# KiCad board TFLN_AI_NODE_X2.kicad_pcb (continued)
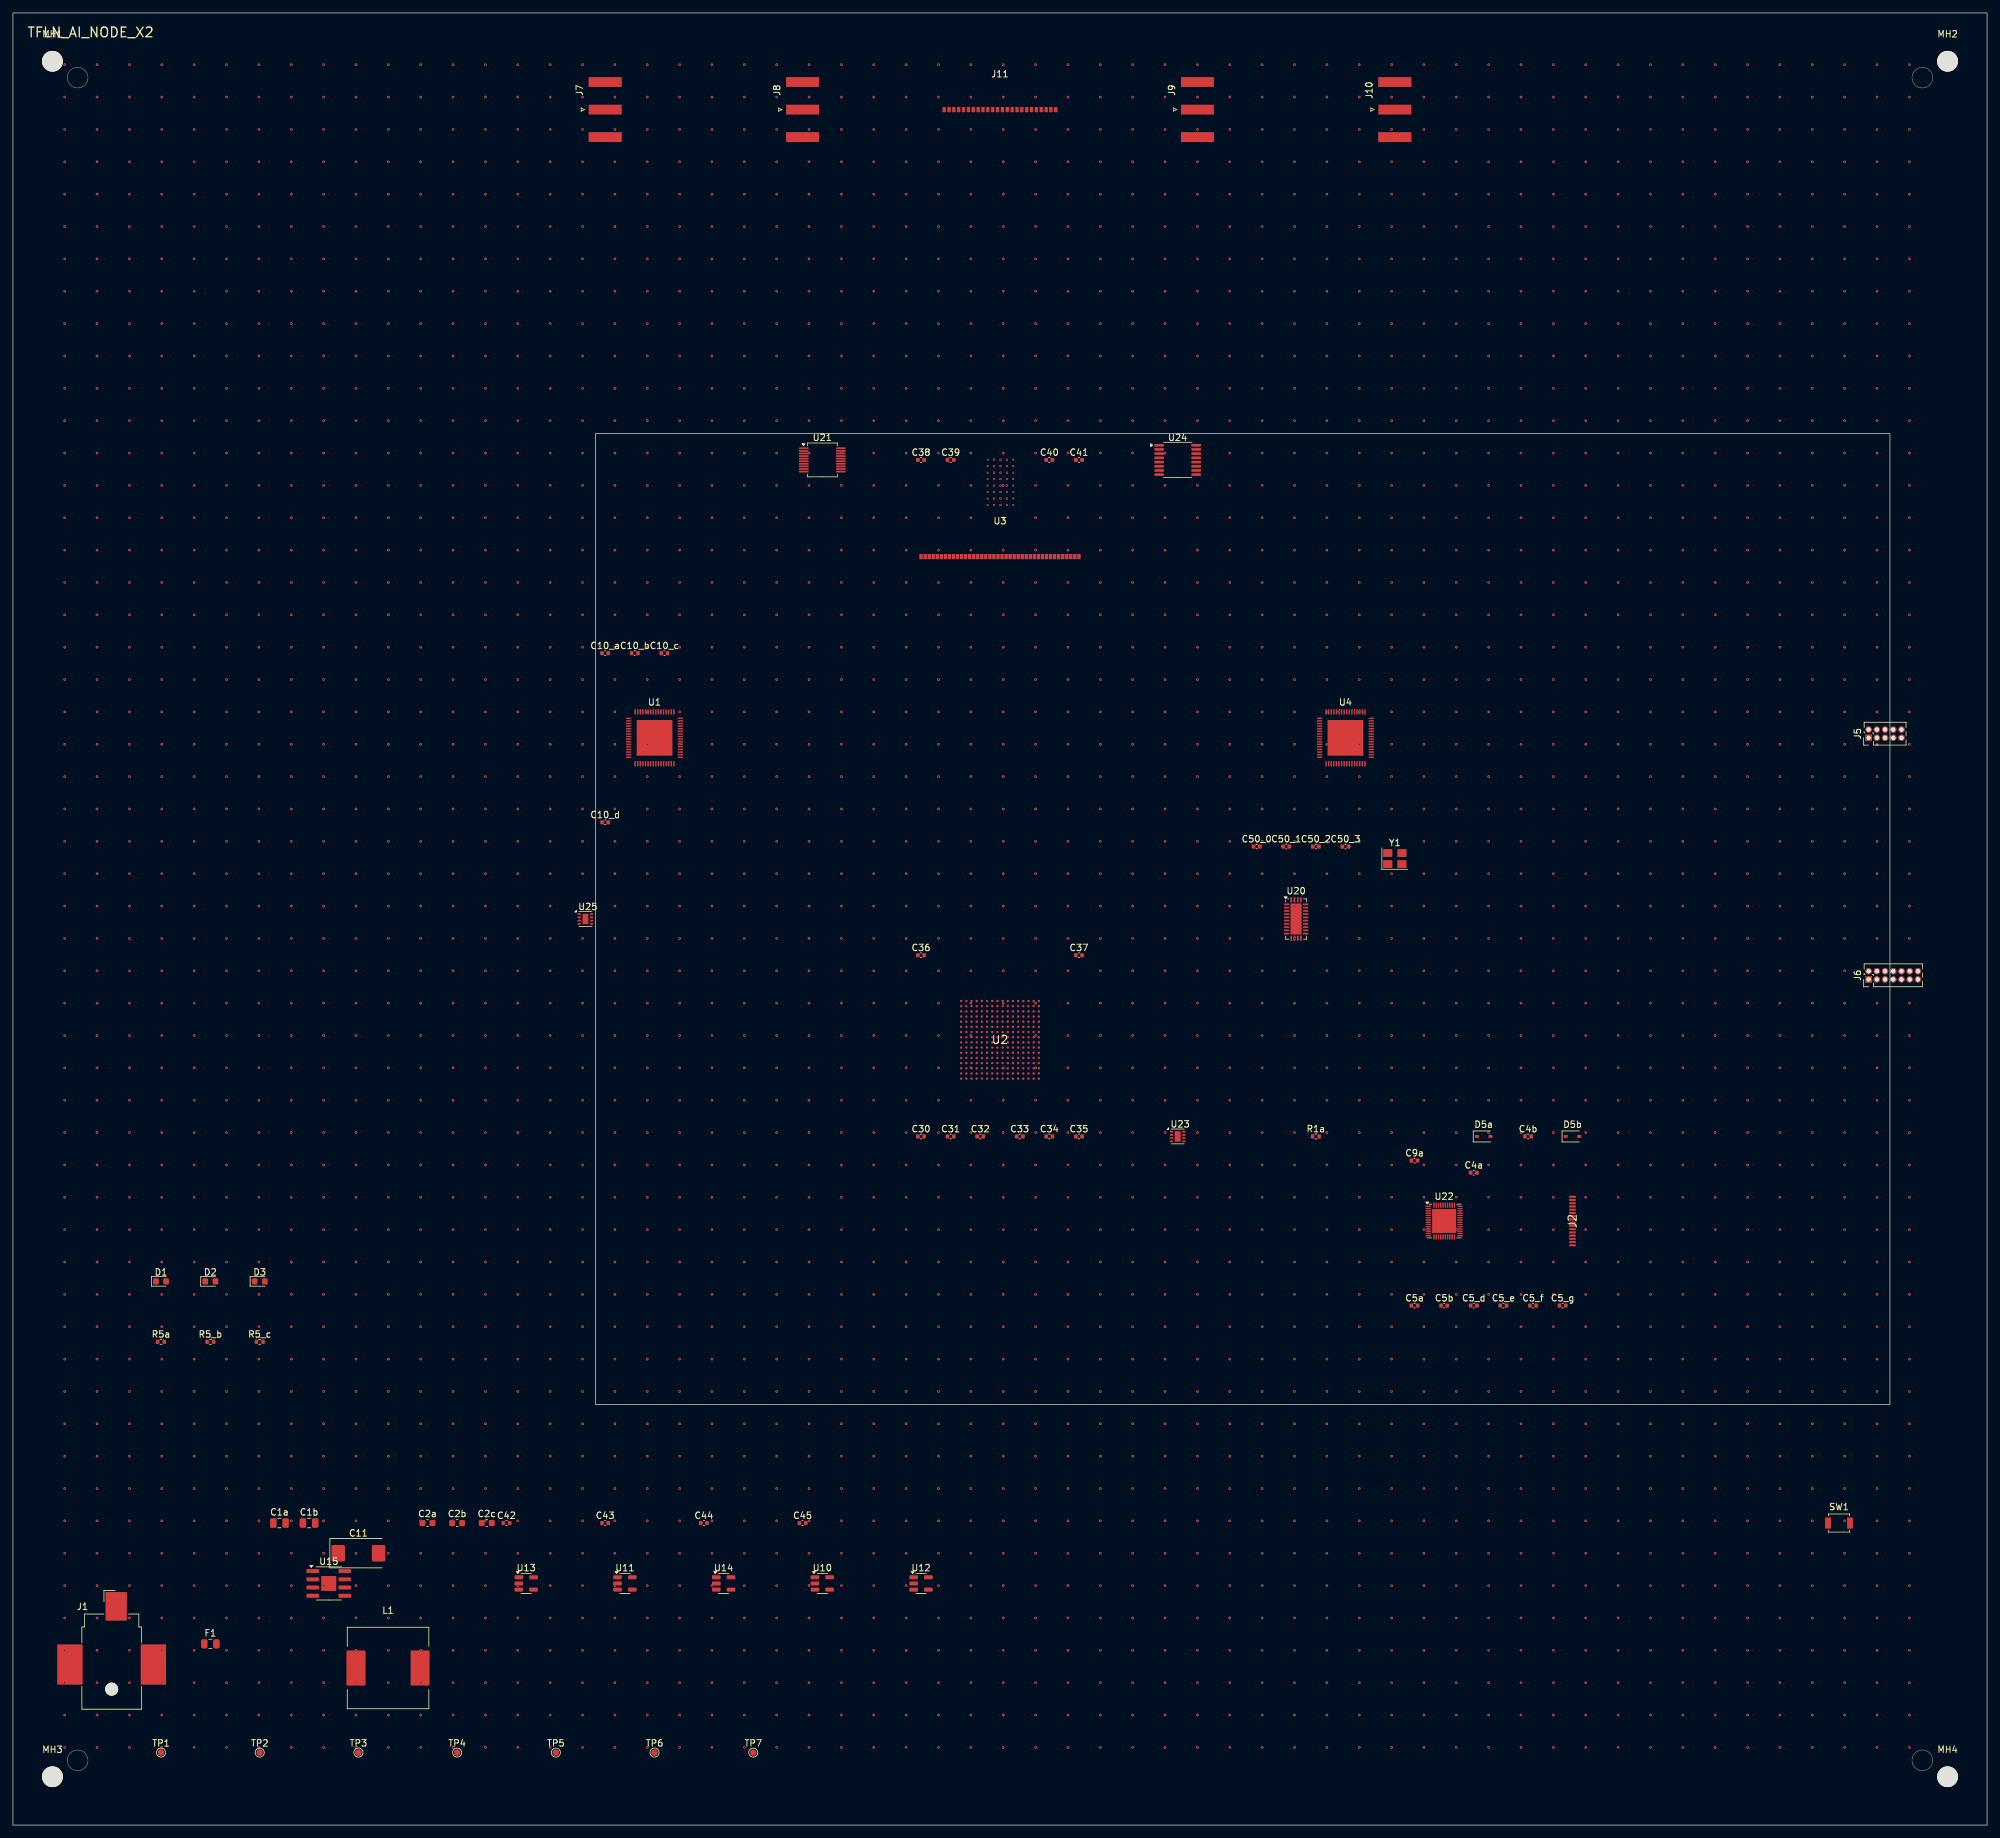
[diagram p0: board, top side]
## Routing (per net, layer and track width the routed paths; a pad name or vN(x,y) marks a point on that pad's centre or on a via; arc(x,y) is an arc through that point) (continued)
v1(178,152) v1(178,147) v1(178,142) v1(178,137) v1(178,132) v1(178,127) v1(178,122) v1(178,117) v1(178,112) v1(178,107) v1(178,102) v1(178,97) v1(178,92) v1(178,87) v1(178,82) v1(178,77) v1(178,72) v1(178,67) v1(178,62) v1(178,57) v1(178,52) v1(178,47) v1(178,42) v1(178,37) v1(178,32) v1(178,27) v1(178,22) v1(178,17) v1(178,12) v1(183,272) v1(183,267) v1(183,262) v1(183,257) v1(183,252) v1(183,247) v1(183,242) v1(183,237) v1(183,232) v1(183,227) v1(183,222) v1(183,217) v1(183,207) v1(183,202) v1(183,197) v1(183,192) v1(183,187) v1(183,182) v1(183,177) v1(183,172) v1(183,167) v1(183,162) v1(183,157) v1(183,152) v1(183,147) v1(183,142) v1(183,137) v1(183,132) v1(183,127) v1(183,122) v1(183,117) v1(183,112) v1(183,107) v1(183,102) v1(183,97) v1(183,92) v1(183,87) v1(183,82) v1(183,77) v1(183,72) v1(183,67) v1(183,62) v1(183,57) v1(183,52) v1(183,47) v1(183,42) v1(183,37) v1(183,32) v1(183,27) v1(183,22) v1(183,17) v1(183,12) v1(188,272) v1(188,267) v1(188,262) v1(188,257) v1(188,252) v1(188,247) v1(188,242) v1(188,237) v1(188,232) v1(188,227) v1(188,222) v1(188,217) v1(188,212) v1(188,207) v1(188,202) v1(188,197) v1(188,192) v1(188,187) v1(188,182) v1(188,177) v1(188,172) v1(188,167) v1(188,162) v1(188,157) v1(188,152) v1(188,147) v1(188,142) v1(188,137) v1(188,132) v1(188,127) v1(188,122) v1(188,117) v1(188,112) v1(188,107) v1(188,102) v1(188,97) v1(188,92) v1(188,87) v1(188,82) v1(188,77) v1(188,72) v1(188,67) v1(188,62) v1(188,57) v1(188,52) v1(188,47) v1(188,42) v1(188,37) v1(188,32) v1(188,27) v1(188,22) v1(188,17) v1(188,12) v1(193,272) v1(193,267) v1(193,262) v1(193,257) v1(193,252) v1(193,247) v1(193,242) v1(193,237) v1(193,232) v1(193,227) v1(193,222) v1(193,217) v1(193,212) v1(193,207) v1(193,202) v1(193,197) v1(193,192) v1(193,187) v1(193,182) v1(193,177) v1(193,172) v1(193,167) v1(193,162) v1(193,157) v1(193,152) v1(193,147) v1(193,142) v1(193,137) v1(193,132) v1(193,127) v1(193,122) v1(193,117) v1(193,112) v1(193,107) v1(193,102) v1(193,97) v1(193,92) v1(193,87) v1(193,82) v1(193,77) v1(193,72) v1(193,67) v1(193,62) v1(193,57) v1(193,52) v1(193,47) v1(193,42) v1(193,37) v1(193,32) v1(193,27) v1(193,22) v1(193,17) v1(193,12) v1(198,272) v1(198,267) v1(198,262) v1(198,257) v1(198,252) v1(198,247) v1(198,242) v1(198,237) v1(198,232) v1(198,227) v1(198,222) v1(198,217) v1(198,212) v1(198,207) v1(198,202) v1(198,197) v1(198,192) v1(198,187) v1(198,182) v1(198,177) v1(198,172) v1(198,167) v1(198,162) v1(198,157) v1(198,152) v1(198,147) v1(198,142) v1(198,132) v1(198,127) v1(198,122) v1(198,117) v1(198,112) v1(198,107) v1(198,102) v1(198,97) v1(198,92) v1(198,87) v1(198,82) v1(198,77) v1(198,72) v1(198,67) v1(198,62) v1(198,57) v1(198,52) v1(198,47) v1(198,42) v1(198,37) v1(198,32) v1(198,27) v1(198,22) v1(198,17) v1(198,12) v1(203,272) v1(203,267) v1(203,262) v1(203,257) v1(203,252) v1(203,247) v1(203,242) v1(203,237) v1(203,232) v1(203,227) v1(203,222) v1(203,217) v1(203,212) v1(203,207) v1(203,202) v1(203,197) v1(203,192) v1(203,187) v1(203,182) v1(203,177) v1(203,172) v1(203,167) v1(203,162) v1(203,157) v1(203,152) v1(203,147) v1(203,142) v1(203,137) v1(203,132) v1(203,127) v1(203,122) v1(203,117) v1(203,112) v1(203,107) v1(203,102) v1(203,97) v1(203,92) v1(203,87) v1(203,82) v1(203,77) v1(203,72) v1(203,67) v1(203,62) v1(203,57) v1(203,52) v1(203,47) v1(203,42) v1(203,37) v1(203,32) v1(203,27) v1(203,22) v1(203,17) v1(203,12) v1(208,272) v1(208,267) v1(208,262) v1(208,257) v1(208,252) v1(208,247) v1(208,242) v1(208,237) v1(208,232) v1(208,227) v1(208,222) v1(208,217) v1(208,212) v1(208,207) v1(208,202) v1(208,197) v1(208,192) v1(208,187) v1(208,182) v1(208,177) v1(208,167) v1(208,162) v1(208,157) v1(208,152) v1(208,147) v1(208,142) v1(208,137) v1(208,132) v1(208,127) v1(208,122) v1(208,117) v1(208,112) v1(208,107) v1(208,102) v1(208,97) v1(208,92) v1(208,87) v1(208,82) v1(208,77) v1(208,72) v1(208,67) v1(208,62) v1(208,57) v1(208,52) v1(208,47) v1(208,42) v1(208,37) v1(208,32) v1(208,27) v1(208,22) v1(208,17) v1(208,12) v1(213,272) v1(213,267) v1(213,262) v1(213,257) v1(213,252) v1(213,247) v1(213,242) v1(213,237) v1(213,232) v1(213,227) v1(213,222) v1(213,217) v1(213,212) v1(213,207) v1(213,202) v1(213,197) v1(213,192) v1(213,187) v1(213,182) v1(213,177) v1(213,172) v1(213,167) v1(213,162) v1(213,157) v1(213,152) v1(213,147) v1(213,142) v1(213,137) v1(213,132) v1(213,127) v1(213,122) v1(213,117) v1(213,112) v1(213,107) v1(213,102) v1(213,97) v1(213,92) v1(213,87) v1(213,82) v1(213,77) v1(213,72) v1(213,67) v1(213,62) v1(213,57) v1(213,52) v1(213,47) v1(213,42) v1(213,37) v1(213,32) v1(213,27) v1(213,22) v1(213,17) v1(213,12) v1(218,272) v1(218,267) v1(218,262) v1(218,257) v1(218,252) v1(218,247) v1(218,242) v1(218,237) v1(218,232) v1(218,227) v1(218,222) v1(218,217) v1(218,212) v1(218,207) v1(218,202) v1(218,197) v1(218,192) v1(218,187) v1(218,182) v1(218,177) v1(218,172) v1(218,167) v1(218,162) v1(218,157) v1(218,152) v1(218,147) v1(218,142) v1(218,137) v1(218,132) v1(218,127) v1(218,122) v1(218,117) v1(218,112) v1(218,107) v1(218,102) v1(218,97) v1(218,92) v1(218,87) v1(218,82) v1(218,77) v1(218,72) v1(218,67) v1(218,62) v1(218,57) v1(218,52) v1(218,47) v1(218,42) v1(218,37) v1(218,32) v1(218,27) v1(218,22) v1(218,17) v1(218,12) v1(223,272) v1(223,267) v1(223,262) v1(223,257) v1(223,252) v1(223,247) v1(223,242) v1(223,237) v1(223,232) v1(223,227) v1(223,222) v1(223,217) v1(223,212) v1(223,207) v1(223,202) v1(223,197) v1(223,192) v1(223,187) v1(223,182) v1(223,177) v1(223,172) v1(223,167) v1(223,162) v1(223,157) v1(223,152) v1(223,147) v1(223,142) v1(223,137) v1(223,132) v1(223,127) v1(223,122) v1(223,117) v1(223,112) v1(223,107) v1(223,102) v1(223,97) v1(223,92) v1(223,87) v1(223,82) v1(223,77) v1(223,72) v1(223,67) v1(223,62) v1(223,57) v1(223,52) v1(223,47) v1(223,42) v1(223,37) v1(223,32) v1(223,27) v1(223,22) v1(223,17) v1(223,12) v1(228,272) v1(228,267) v1(228,262) v1(228,257) v1(228,252) v1(228,247) v1(228,242) v1(228,237) v1(228,232) v1(228,227) v1(228,222) v1(228,217) v1(228,212) v1(228,207) v1(228,202) v1(228,197) v1(228,192) v1(228,187) v1(228,182) v1(228,177) v1(228,172) v1(228,167) v1(228,162) v1(228,157) v1(228,152) v1(228,147) v1(228,142) v1(228,137) v1(228,132) v1(228,127) v1(228,122) v1(228,117) v1(228,112) v1(228,107) v1(228,102) v1(228,97) v1(228,92) v1(228,87) v1(228,82) v1(228,77) v1(228,72) v1(228,67) v1(228,62) v1(228,57) v1(228,52) v1(228,47) v1(228,42) v1(228,37) v1(228,32) v1(228,27) v1(228,22) v1(228,17) v1(228,12) v1(233,272) v1(233,267) v1(233,262) v1(233,257) v1(233,252) v1(233,247) v1(233,242) v1(233,237) v1(233,232) v1(233,227) v1(233,222) v1(233,217) v1(233,212) v1(233,207) v1(233,202) v1(233,197) v1(233,192) v1(233,187) v1(233,182) v1(233,177) v1(233,172) v1(233,167) v1(233,162) v1(233,157) v1(233,152) v1(233,147) v1(233,142) v1(233,137) v1(233,132) v1(233,127) v1(233,122) v1(233,117) v1(233,112) v1(233,107) v1(233,102) v1(233,97) v1(233,92) v1(233,87) v1(233,82) v1(233,77) v1(233,72) v1(233,67) v1(233,62) v1(233,57) v1(233,52) v1(233,47) v1(233,42) v1(233,37) v1(233,32) v1(233,27) v1(233,22) v1(233,17) v1(233,12) v1(238,272) v1(238,267) v1(238,262) v1(238,257) v1(238,252) v1(238,247) v1(238,242) v1(238,237) v1(238,232) v1(238,227) v1(238,222) v1(238,217) v1(238,212) v1(238,207) v1(238,202) v1(238,197) v1(238,192) v1(238,187) v1(238,182) v1(238,177) v1(238,172) v1(238,167) v1(238,162) v1(238,157) v1(238,152) v1(238,147) v1(238,142) v1(238,137) v1(238,132) v1(238,127) v1(238,122) v1(238,117) v1(238,112) v1(238,107) v1(238,102) v1(238,97) v1(238,92) v1(238,87) v1(238,82) v1(238,77) v1(238,72) v1(238,67) v1(238,62) v1(238,57) v1(238,52) v1(238,47) v1(238,42) v1(238,37) v1(238,32) v1(238,27) v1(238,22) v1(238,17) v1(238,12) v1(243,272) v1(243,267) v1(243,262) v1(243,257) v1(243,252) v1(243,247) v1(243,242) v1(243,237) v1(243,232) v1(243,227) v1(243,222) v1(243,217) v1(243,212) v1(243,207) v1(243,202) v1(243,197) v1(243,192) v1(243,187) v1(243,182) v1(243,177) v1(243,172) v1(243,167) v1(243,162) v1(243,157) v1(243,152) v1(243,147) v1(243,142) v1(243,137) v1(243,132) v1(243,127) v1(243,122) v1(243,117) v1(243,112) v1(243,107) v1(243,102) v1(243,97) v1(243,92) v1(243,87) v1(243,82) v1(243,77) v1(243,72) v1(243,67) v1(243,62) v1(243,57) v1(243,52) v1(243,47) v1(243,42) v1(243,37) v1(243,32) v1(243,27) v1(243,22) v1(243,17) v1(243,12) v1(248,272) v1(248,267) v1(248,262) v1(248,257) v1(248,252) v1(248,247) v1(248,242) v1(248,237) v1(248,232) v1(248,227) v1(248,222) v1(248,217) v1(248,212) v1(248,207) v1(248,202) v1(248,197) v1(248,192) v1(248,187) v1(248,182) v1(248,177) v1(248,172) v1(248,167) v1(248,162) v1(248,157) v1(248,152) v1(248,147) v1(248,142) v1(248,137) v1(248,132) v1(248,127) v1(248,122) v1(248,117) v1(248,112) v1(248,107) v1(248,102) v1(248,97) v1(248,92) v1(248,87) v1(248,82) v1(248,77) v1(248,72) v1(248,67) v1(248,62) v1(248,57) v1(248,52) v1(248,47) v1(248,42) v1(248,37) v1(248,32) v1(248,27) v1(248,22) v1(248,17) v1(248,12) v1(253,272) v1(253,267) v1(253,262) v1(253,257) v1(253,252) v1(253,247) v1(253,242) v1(253,237) v1(253,232) v1(253,227) v1(253,222) v1(253,217) v1(253,212) v1(253,207) v1(253,202) v1(253,197) v1(253,192) v1(253,187) v1(253,182) v1(253,177) v1(253,172) v1(253,167) v1(253,162) v1(253,157) v1(253,152) v1(253,147) v1(253,142) v1(253,137) v1(253,132) v1(253,127) v1(253,122) v1(253,117) v1(253,112) v1(253,107) v1(253,102) v1(253,97) v1(253,92) v1(253,87) v1(253,82) v1(253,77) v1(253,72) v1(253,67) v1(253,62) v1(253,57) v1(253,52) v1(253,47) v1(253,42) v1(253,37) v1(253,32) v1(253,27) v1(253,22) v1(253,17) v1(253,12) v1(258,272) v1(258,267) v1(258,262) v1(258,257) v1(258,252) v1(258,247) v1(258,242) v1(258,237) v1(258,232) v1(258,227) v1(258,222) v1(258,217) v1(258,212) v1(258,207) v1(258,202) v1(258,197) v1(258,192) v1(258,187) v1(258,182) v1(258,177) v1(258,172) v1(258,167) v1(258,162) v1(258,157) v1(258,152) v1(258,147) v1(258,142) v1(258,137) v1(258,132) v1(258,127) v1(258,122) v1(258,117) v1(258,112) v1(258,107) v1(258,102) v1(258,97) v1(258,92) v1(258,87) v1(258,82) v1(258,77) v1(258,72) v1(258,67) v1(258,62) v1(258,57) v1(258,52) v1(258,47) v1(258,42) v1(258,37) v1(258,32) v1(258,27) v1(258,22) v1(258,17) v1(258,12) v1(263,272) v1(263,267) v1(263,262) v1(263,257) v1(263,252) v1(263,247) v1(263,242) v1(263,237) v1(263,232) v1(263,227) v1(263,222) v1(263,217) v1(263,212) v1(263,207) v1(263,202) v1(263,197) v1(263,192) v1(263,187) v1(263,182) v1(263,177) v1(263,172) v1(263,167) v1(263,162) v1(263,157) v1(263,152) v1(263,147) v1(263,142) v1(263,137) v1(263,132) v1(263,127) v1(263,122) v1(263,117) v1(263,112) v1(263,107) v1(263,102) v1(263,97) v1(263,92) v1(263,87) v1(263,82) v1(263,77) v1(263,72) v1(263,67) v1(263,62) v1(263,57) v1(263,52) v1(263,47) v1(263,42) v1(263,37) v1(263,32) v1(263,27) v1(263,22) v1(263,17) v1(263,12) v1(268,272) v1(268,267) v1(268,262) v1(268,257) v1(268,252) v1(268,247) v1(268,242) v1(268,237) v1(268,232) v1(268,227) v1(268,222) v1(268,217) v1(268,212) v1(268,207) v1(268,202) v1(268,197) v1(268,192) v1(268,187) v1(268,182) v1(268,177) v1(268,172) v1(268,167) v1(268,162) v1(268,157) v1(268,152) v1(268,147) v1(268,142) v1(268,137) v1(268,132) v1(268,127) v1(268,122) v1(268,117) v1(268,112) v1(268,107) v1(268,102) v1(268,97) v1(268,92) v1(268,87) v1(268,82) v1(268,77) v1(268,72) v1(268,67) v1(268,62) v1(268,57) v1(268,52) v1(268,47) v1(268,42) v1(268,37) v1(268,32) v1(268,27) v1(268,22) v1(268,17) v1(268,12) v1(273,272) v1(273,267) v1(273,262) v1(273,257) v1(273,252) v1(273,247) v1(273,242) v1(273,237) v1(273,232) v1(273,227) v1(273,222) v1(273,217) v1(273,212) v1(273,207) v1(273,202) v1(273,197) v1(273,192) v1(273,187) v1(273,182) v1(273,177) v1(273,172) v1(273,167) v1(273,162) v1(273,157) v1(273,152) v1(273,147) v1(273,142) v1(273,137) v1(273,132) v1(273,127) v1(273,122) v1(273,117) v1(273,112) v1(273,107) v1(273,102) v1(273,97) v1(273,92) v1(273,87) v1(273,82) v1(273,77) v1(273,72) v1(273,67) v1(273,62) v1(273,57) v1(273,52) v1(273,47) v1(273,42) v1(273,37) v1(273,32) v1(273,27) v1(273,22) v1(273,17) v1(273,12) v1(278,272) v1(278,267) v1(278,262) v1(278,257) v1(278,252) v1(278,247) v1(278,242) v1(278,237) v1(278,232) v1(278,227) v1(278,222) v1(278,217) v1(278,212) v1(278,207) v1(278,202) v1(278,197) v1(278,192) v1(278,187) v1(278,182) v1(278,177) v1(278,172) v1(278,167) v1(278,162) v1(278,157) v1(278,152) v1(278,147) v1(278,142) v1(278,137) v1(278,132) v1(278,127) v1(278,122) v1(278,117) v1(278,112) v1(278,107) v1(278,102) v1(278,97) v1(278,92) v1(278,87) v1(278,82) v1(278,77) v1(278,72) v1(278,67) v1(278,62) v1(278,57) v1(278,52) v1(278,47) v1(278,42) v1(278,37) v1(278,32) v1(278,27) v1(278,22) v1(278,17) v1(278,12) v1(283,272) v1(283,267) v1(283,262) v1(283,257) v1(283,252) v1(283,247) v1(283,242) v1(283,237) v1(283,232) v1(283,227) v1(283,222) v1(283,217) v1(283,212) v1(283,207) v1(283,202) v1(283,197) v1(283,192) v1(283,187) v1(283,182) v1(283,177) v1(283,172) v1(283,167) v1(283,162) v1(283,157) v1(283,152) v1(283,147) v1(283,142) v1(283,137) v1(283,132) v1(283,127) v1(283,122) v1(283,117) v1(283,112) v1(283,107) v1(283,102) v1(283,97) v1(283,92) v1(283,87) v1(283,82) v1(283,77) v1(283,72) v1(283,67) v1(283,62) v1(283,57) v1(283,52) v1(283,47) v1(283,42) v1(283,37) v1(283,32) v1(283,27) v1(283,22) v1(283,17) v1(283,12) v1(288,272) v1(288,267) v1(288,262) v1(288,257) v1(288,252) v1(288,247) v1(288,242) v1(288,237) v1(288,232) v1(288,227) v1(288,222) v1(288,217) v1(288,212) v1(288,207) v1(288,202) v1(288,197) v1(288,192) v1(288,187) v1(288,182) v1(288,177) v1(288,172) v1(288,167) v1(288,162) v1(288,157) v1(288,152) v1(288,147) v1(288,142) v1(288,137) v1(288,127) v1(288,122) v1(288,117) v1(288,112) v1(288,107) v1(288,102) v1(288,97) v1(288,92) v1(288,87) v1(288,82) v1(288,77) v1(288,72) v1(288,67) v1(288,62) v1(288,57) v1(288,52) v1(288,47) v1(288,42) v1(288,37) v1(288,32) v1(288,27) v1(288,22) v1(288,17) v1(288,12) v1(293,272) v1(293,267) v1(293,262) v1(293,257) v1(293,252) v1(293,247) v1(293,242) v1(293,237) v1(293,232) v1(293,227) v1(293,222) v1(293,217) v1(293,212) v1(293,207) v1(293,202) v1(293,197) v1(293,192) v1(293,187) v1(293,182) v1(293,177) v1(293,172) v1(293,167) v1(293,162) v1(293,157) v1(293,152) v1(293,147) v1(293,142) v1(293,137) v1(293,132) v1(293,127) v1(293,122) v1(293,117) v1(293,112) v1(293,107) v1(293,102) v1(293,97) v1(293,92) v1(293,87) v1(293,82) v1(293,77) v1(293,72) v1(293,67) v1(293,62) v1(293,57) v1(293,52) v1(293,47) v1(293,42) v1(293,37) v1(293,32) v1(293,27) v1(293,22) v1(293,17) v1(293,12) v2(150.6,210.97) v2(150.6,209.97) v2(150.6,208.97) v2(150.6,207.97) v2(150.6,206.97) v2(150.6,205.97) v2(150.6,204.97) v2(150.6,203.97) v2(151.55,210.97) v2(151.55,209.97) v2(151.55,208.97) v2(151.55,207.97) v2(151.55,206.97) v2(151.55,205.97) v2(151.55,204.97) v2(151.55,203.97) v2(151.6,210.97) v2(151.6,209.97) v2(151.6,208.97) v2(151.6,207.97) v2(151.6,206.97) v2(151.6,205.97) v2(151.6,204.97) v2(151.6,203.97) v2(152.55,210.97) v2(152.55,209.97) v2(152.55,208.97) v2(152.55,207.97) v2(152.55,206.97) v2(152.55,205.97) v2(152.55,204.97) v2(152.55,203.97) v2(152.6,210.97) v2(152.6,209.97) v2(152.6,208.97) v2(152.6,207.97) v2(152.6,206.97) v2(152.6,205.97) v2(152.6,204.97) v2(152.6,203.97) v2(153.55,210.97) v2(153.55,209.97) v2(153.55,208.97) v2(153.55,207.97) v2(153.55,206.97) v2(153.55,205.97) v2(153.55,204.97) v2(153.55,203.97) v2(153.6,210.97) v2(153.6,209.97) v2(153.6,208.97) v2(153.6,207.97) v2(153.6,206.97) v2(153.6,205.97) v2(153.6,204.97) v2(153.6,203.97) v2(154.55,210.97) v2(154.55,209.97) v2(154.55,208.97) v2(154.55,207.97) v2(154.55,206.97) v2(154.55,205.97) v2(154.55,204.97) v2(154.55,203.97)
